# KiCad board oibus-mini-CCC_PANEL.kicad_pcb (continued)
## Routing (per net, layer and track width the routed paths; a pad name or vN(x,y) marks a point on that pad's centre or on a via; arc(x,y) is an arc through that point) (continued)
  Top w0.4: 63.01,27.52 63,27.51 63,23.62 63.01,23.61 ; 63.01,23.61 63.01,23.38 v4(62.64,23.01) ; 63.01,23.61 C3#2.2 62.88,21.97 U1#2.5 ; C15#2.2 63.05,27.2 R10#2.1 64.1,28.27 v4(64.1,28.73) ; U2#2.2 46.3,46.91 46.3,39.61 47.1,38.81 ; H2#2.3 50.79,11.76 50.79,14.22 50.2,14.81 v4(49.5,14.81) ; 47.1,38.81 47.1,38.91 44.8,41.21 U2#2.3 44.8,48.61 43.7,49.71 40.83,49.71 40.03,48.91 39.17,48.91 38.6,49.48 D4#2.2 ; 47.1,38.81 U2#2.17 ; L2#2.1 72.6,46.71 v4(73.2,47.31) 72.7,47.81 D7#2.4 ; 48.25,17.52 v4(48.22,17.49) 48.22,18.09 SW1#2.2 47.2,19.96 48.45,21.21 48.45,23.19 48.27,23.38 47.48,23.38 46.88,23.98 46.88,24.89 v4(48,26.01) ; P1#2.2 52.61,28.73 50.32,28.73 47.8,26.21 v4(48,26.01) ; v4(44.6,26.01) 42.6,26.01 40.6,28.01 v4(40.6,30.61) ; v4(48,26.01) 48,25.74 48.41,25.33 51.22,25.33 51.29,25.41 54,25.41 54.4,25.01 56.69,25.01 57.09,25.41 v4(57.8,25.41) ; 71.2,58.61 71.2,58.02 C5#2.2 U3#2.9 ; 71.2,58.61 71.2,59.01 71.69,59.5 72.46,59.5 72.64,59.47 72.88,59.23 v5(72.91,59.23) ; 71.2,58.61 71.1,58.51 70.7,58.51 70.2,59.01 U3#2.10 ; v4(66.77,46.21) 66.77,40.14 64.7,38.07 64.7,36.73 v4(65.45,35.98) ; v4(131.8,25.41) 131.09,25.41 130.69,25.01 128.4,25.01 128,25.41 125.29,25.41 125.22,25.33 122.41,25.33 122,25.74 v4(122,26.01) ; v4(122,26.01) 120.88,24.89 120.88,23.98 121.48,23.38 122.27,23.38 122.45,23.19 122.45,21.21 121.2,19.96 SW1#4.2 122.22,18.09 v4(122.22,17.49) 122.25,17.52 ; v4(122,26.01) 121.8,26.21 124.32,28.73 126.61,28.73 P1#3.2 ; D4#4.2 112.6,49.48 113.17,48.91 114.03,48.91 114.83,49.71 117.7,49.71 118.8,48.61 U2#4.3 118.8,41.21 121.1,38.91 121.1,38.81 ; 121.1,38.81 120.3,39.61 120.3,46.91 U2#4.2 ; 121.1,38.81 U2#4.17 ; D7#4.4 146.7,47.81 v4(147.2,47.31) 146.6,46.71 L2#3.1 ; 100.01,27.52 100,27.51 100,23.62 100.01,23.61 ; 100.01,23.61 100.01,23.38 v4(99.64,23.01) ; 100.01,23.61 C3#3.2 99.88,21.97 U1#3.5 ; C15#4.2 100.05,27.2 R10#4.1 101.1,28.27 v4(101.1,28.73) ; U2#3.2 83.3,46.91 83.3,39.61 84.1,38.81 ; H2#3.3 87.79,11.76 87.79,14.22 87.2,14.81 v4(86.5,14.81) ; 84.1,38.81 84.1,38.91 81.8,41.21 U2#3.3 81.8,48.61 80.7,49.71 77.83,49.71 77.03,48.91 76.17,48.91 75.6,49.48 D4#3.2 ; 84.1,38.81 U2#3.17 ; L2#4.1 109.6,46.71 v4(110.2,47.31) 109.7,47.81 D7#3.4 ; 85.25,17.52 v4(85.22,17.49) 85.22,18.09 SW1#3.2 84.2,19.96 85.45,21.21 85.45,23.19 85.27,23.38 84.48,23.38 83.88,23.98 83.88,24.89 v4(85,26.01) ; P1#4.2 89.61,28.73 87.32,28.73 84.8,26.21 v4(85,26.01) ; v4(81.6,26.01) 79.6,26.01 77.6,28.01 v4(77.6,30.61) ; v4(85,26.01) 85,25.74 85.41,25.33 88.22,25.33 88.29,25.41 91,25.41 91.4,25.01 93.69,25.01 94.09,25.41 v4(94.8,25.41) ; 108.2,58.61 108.2,58.02 C5#3.2 U3#3.9 ; 108.2,58.61 108.2,59.01 108.69,59.5 109.46,59.5 109.64,59.47 109.88,59.23 v5(109.91,59.23) ; 108.2,58.61 108.1,58.51 107.7,58.51 107.2,59.01 U3#3.10 ; v4(118.6,26.01) 116.6,26.01 114.6,28.01 v4(114.6,30.61) ; v4(103.77,46.21) 103.77,40.14 101.7,38.07 101.7,36.73 v4(102.45,35.98) ; H2#4.3 124.79,11.76 124.79,14.22 124.2,14.81 v4(123.5,14.81) ; 137.01,23.61 137,23.62 137,27.51 137.01,27.52 ; 137.01,23.61 137.01,23.38 v4(136.64,23.01) ; 137.01,23.61 C3#4.2 136.88,21.97 U1#4.5 ; C15#3.2 137.05,27.2 R10#3.1 138.1,28.27 v4(138.1,28.73) ; v4(140.77,46.21) 140.77,40.14 138.7,38.07 138.7,36.73 v4(139.45,35.98) ; U3#4.9 C5#4.2 145.2,58.02 145.2,58.61 ; 145.2,58.61 145.1,58.51 144.7,58.51 144.2,59.01 U3#4.10 ; 145.2,58.61 145.2,59.01 145.69,59.5 146.46,59.5 146.64,59.47 146.88,59.23 v5(146.91,59.23) ; 159.25,17.52 v4(159.22,17.49) 159.22,18.09 SW1#5.2 158.2,19.96 159.45,21.21 159.45,23.19 159.27,23.38 158.48,23.38 157.88,23.98 157.88,24.89 v4(159,26.01) ; D4#6.2 149.6,49.48 150.17,48.91 151.03,48.91 151.83,49.71 154.7,49.71 155.8,48.61 U2#6.3 155.8,41.21 158.1,38.91 158.1,38.81 ; v4(159,26.01) 159,25.74 159.41,25.33 162.22,25.33 162.29,25.41 165,25.41 165.4,25.01 167.69,25.01 168.09,25.41 v4(168.8,25.41) ; v4(159,26.01) 158.8,26.21 161.32,28.73 163.61,28.73 P1#6.2 ; v4(151.6,30.61) 151.6,28.01 153.6,26.01 v4(155.6,26.01) ; v4(173.64,23.01) 174.01,23.38 174.01,23.61 ; 174.01,23.61 C3#6.2 173.88,21.97 U1#5.5 ; 174.01,23.61 174,23.62 174,27.51 174.01,27.52 ; U3#6.9 C5#6.2 182.2,58.02 182.2,58.61 ; v5(183.91,59.23) 183.88,59.23 183.64,59.47 183.46,59.5 182.69,59.5 182.2,59.01 182.2,58.61 ; 182.2,58.61 182.1,58.51 181.7,58.51 181.2,59.01 U3#6.10 ; v4(205.8,25.41) 205.09,25.41 204.69,25.01 202.4,25.01 202,25.41 199.29,25.41 199.22,25.33 196.41,25.33 196,25.74 v4(196,26.01) ; v4(196,26.01) 194.88,24.89 194.88,23.98 195.48,23.38 196.27,23.38 196.45,23.19 196.45,21.21 195.2,19.96 SW1#6.2 196.22,18.09 v4(196.22,17.49) 196.25,17.52 ; v4(196,26.01) 195.8,26.21 198.32,28.73 200.61,28.73 P1#5.2 ; D4#5.2 186.6,49.48 187.17,48.91 188.03,48.91 188.83,49.71 191.7,49.71 192.8,48.61 U2#5.3 192.8,41.21 195.1,38.91 195.1,38.81 ; 195.1,38.81 194.3,39.61 194.3,46.91 U2#5.2 ; 195.1,38.81 U2#5.17 ; L2#5.1 220.6,46.71 v4(221.2,47.31) 220.7,47.81 D7#6.4 ; v4(160.5,14.81) 161.2,14.81 161.79,14.22 161.79,11.76 H2#6.3 ; D7#5.4 183.7,47.81 v4(184.2,47.31) 183.6,46.71 L2#6.1 ; 158.1,38.81 157.3,39.61 157.3,46.91 U2#6.2 ; 158.1,38.81 U2#6.17 ; C15#6.2 174.05,27.2 R10#6.1 175.1,28.27 v4(175.1,28.73) ; H2#5.3 198.79,11.76 198.79,14.22 198.2,14.81 v4(197.5,14.81) ; 211.01,23.61 211,23.62 211,27.51 211.01,27.52 ; 211.01,23.61 211.01,23.38 v4(210.64,23.01) ; 211.01,23.61 C3#5.2 210.88,21.97 U1#6.5 ; C15#5.2 211.05,27.2 R10#5.1 212.1,28.27 v4(212.1,28.73) ; v4(214.77,46.21) 214.77,40.14 212.7,38.07 212.7,36.73 v4(213.45,35.98) ; v4(192.6,26.01) 190.6,26.01 188.6,28.01 v4(188.6,30.61) ; v4(177.77,46.21) 177.77,40.14 175.7,38.07 175.7,36.73 v4(176.45,35.98) ; U3#5.9 C5#5.2 219.2,58.02 219.2,58.61 ; 219.2,58.61 219.1,58.51 218.7,58.51 218.2,59.01 U3#5.10 ; 219.2,58.61 219.2,59.01 219.69,59.5 220.46,59.5 220.64,59.47 220.88,59.23 v5(220.91,59.23) ; v4(279.8,25.41) 279.09,25.41 278.69,25.01 276.4,25.01 276,25.41 273.29,25.41 273.22,25.33 270.41,25.33 270,25.74 v4(270,26.01) ; v4(270,26.01) 268.88,24.89 268.88,23.98 269.48,23.38 270.27,23.38 270.45,23.19 270.45,21.21 269.2,19.96 SW1#7.2 270.22,18.09 v4(270.22,17.49) 270.25,17.52 ; v4(270,26.01) 269.8,26.21 272.32,28.73 274.61,28.73 P1#7.2 ; D4#8.2 260.6,49.48 261.17,48.91 262.03,48.91 262.83,49.71 265.7,49.71 266.8,48.61 U2#8.3 266.8,41.21 269.1,38.91 269.1,38.81 ; 269.1,38.81 268.3,39.61 268.3,46.91 U2#8.2 ; 269.1,38.81 U2#8.17 ; L2#7.1 294.6,46.71 v4(295.2,47.31) 294.7,47.81 D7#7.4 ; v4(234.5,14.81) 235.2,14.81 235.79,14.22 235.79,11.76 H2#7.3 ; D7#8.4 257.7,47.81 v4(258.2,47.31) 257.6,46.71 L2#8.1 ; 232.1,38.81 231.3,39.61 231.3,46.91 U2#7.2 ; 232.1,38.81 232.1,38.91 229.8,41.21 U2#7.3 229.8,48.61 228.7,49.71 225.83,49.71 225.03,48.91 224.17,48.91 223.6,49.48 D4#7.2 ; 232.1,38.81 U2#7.17 ; C15#7.2 248.05,27.2 R10#8.1 249.1,28.27 v4(249.1,28.73) ; 248.01,23.61 248,23.62 248,27.51 248.01,27.52 ; 248.01,23.61 248.01,23.38 v4(247.64,23.01) ; 248.01,23.61 C3#7.2 247.88,21.97 U1#8.5 ; U3#8.9 C5#8.2 256.2,58.02 256.2,58.61 ; v5(257.91,59.23) 257.88,59.23 257.64,59.47 257.46,59.5 256.69,59.5 256.2,59.01 256.2,58.61 ; 256.2,58.61 256.1,58.51 255.7,58.51 255.2,59.01 U3#8.10 ; 233.25,17.52 v4(233.22,17.49) 233.22,18.09 SW1#8.2 232.2,19.96 233.45,21.21 233.45,23.19 233.27,23.38 232.48,23.38 231.88,23.98 231.88,24.89 v4(233,26.01) ; v4(233,26.01) 233,25.74 233.41,25.33 236.22,25.33 236.29,25.41 239,25.41 239.4,25.01 241.69,25.01 242.09,25.41 v4(242.8,25.41) ; v4(233,26.01) 232.8,26.21 235.32,28.73 237.61,28.73 P1#8.2 ; v4(225.6,30.61) 225.6,28.01 227.6,26.01 v4(229.6,26.01) ; v4(266.6,26.01) 264.6,26.01 262.6,28.01 v4(262.6,30.61) ; v4(251.77,46.21) 251.77,40.14 249.7,38.07 249.7,36.73 v4(250.45,35.98) ; v4(288.77,46.21) 288.77,40.14 286.7,38.07 286.7,36.73 v4(287.45,35.98) ; H2#8.3 272.79,11.76 272.79,14.22 272.2,14.81 v4(271.5,14.81) ; 285.01,23.61 285,23.62 285,27.51 285.01,27.52 ; 285.01,23.61 285.01,23.38 v4(284.64,23.01) ; 285.01,23.61 C3#8.2 284.88,21.97 U1#7.5 ; C15#8.2 285.05,27.2 R10#7.1 286.1,28.27 v4(286.1,28.73) ; U3#7.9 C5#7.2 293.2,58.02 293.2,58.61 ; 293.2,58.61 293.1,58.51 292.7,58.51 292.2,59.01 U3#7.10 ; 293.2,58.61 293.2,59.01 293.69,59.5 294.46,59.5 294.64,59.47 294.88,59.23 v5(294.91,59.23) ; v4(57.8,91.41) 57.09,91.41 56.69,91.01 54.4,91.01 54,91.41 51.29,91.41 51.22,91.33 48.41,91.33 48,91.74 v4(48,92.01) ; v4(48,92.01) 46.88,90.89 46.88,89.98 47.48,89.38 48.27,89.38 48.45,89.19 48.45,87.21 47.2,85.96 SW1#13.2 48.22,84.09 v4(48.22,83.49) 48.25,83.52 ; v4(48,92.01) 47.8,92.21 50.32,94.73 52.61,94.73 P1#9.2 ; D4#12.2 38.6,115.48 39.17,114.91 40.03,114.91 40.83,115.71 43.7,115.71 44.8,114.61 U2#12.3 44.8,107.21 47.1,104.91 47.1,104.81 ; 85.25,83.52 v4(85.22,83.49) 85.22,84.09 SW1#11.2 84.2,85.96 85.45,87.21 85.45,89.19 85.27,89.38 84.48,89.38 83.88,89.98 83.88,90.89 v4(85,92.01) ; 47.1,104.81 46.3,105.61 46.3,112.91 U2#12.2 ; 47.1,104.81 U2#12.17 ; D4#13.2 75.6,115.48 76.17,114.91 77.03,114.91 77.83,115.71 80.7,115.71 81.8,114.61 U2#13.3 81.8,107.21 84.1,104.91 84.1,104.81 ; D7#13.4 72.7,113.81 v4(73.2,113.31) 72.6,112.71 L2#9.1 ; 26.01,93.52 26,93.51 26,89.62 26.01,89.61 ; 26.01,89.61 26.01,89.38 v4(25.64,89.01) ; 26.01,89.61 C3#10.2 25.88,87.97 U1#9.5 ; C15#11.2 26.05,93.2 R10#10.1 27.1,94.27 v4(27.1,94.73) ; U2#9.2 9.3,112.91 9.3,105.61 10.1,104.81 ; H2#9.3 13.79,77.76 13.79,80.22 13.2,80.81 v4(12.5,80.81) ; 10.1,104.81 10.1,104.91 7.8,107.21 U2#9.3 7.8,114.61 6.7,115.71 3.83,115.71 3.03,114.91 2.17,114.91 1.6,115.48 D4#9.2 ; 10.1,104.81 U2#9.17 ; L2#10.1 35.6,112.71 v4(36.2,113.31) 35.7,113.81 D7#9.4 ; 11.25,83.52 v4(11.22,83.49) 11.22,84.09 SW1#9.2 10.2,85.96 11.45,87.21 11.45,89.19 11.27,89.38 10.48,89.38 9.88,89.98 9.88,90.89 v4(11,92.01) ; P1#10.2 15.61,94.73 13.32,94.73 10.8,92.21 v4(11,92.01) ; v4(7.6,92.01) 5.6,92.01 3.6,94.01 v4(3.6,96.61) ; v4(11,92.01) 11,91.74 11.41,91.33 14.22,91.33 14.29,91.41 17,91.41 17.4,91.01 19.69,91.01 20.09,91.41 v4(20.8,91.41) ; 34.2,124.61 34.2,124.02 C5#9.2 U3#9.9 ; 34.2,124.61 34.2,125.01 34.69,125.5 35.46,125.5 35.64,125.47 35.88,125.23 v5(35.91,125.23) ; 34.2,124.61 34.1,124.51 33.7,124.51 33.2,125.01 U3#9.10 ; v4(85,92.01) 85,91.74 85.41,91.33 88.22,91.33 88.29,91.41 91,91.41 91.4,91.01 93.69,91.01 94.09,91.41 v4(94.8,91.41) ; v4(85,92.01) 84.8,92.21 87.32,94.73 89.61,94.73 P1#14.2 ; v4(44.6,92.01) 42.6,92.01 40.6,94.01 v4(40.6,96.61) ; v4(77.6,96.61) 77.6,94.01 79.6,92.01 v4(81.6,92.01) ; v4(29.77,112.21) 29.77,106.14 27.7,104.07 27.7,102.73 v4(28.45,101.98) ; v4(99.64,89.01) 100.01,89.38 100.01,89.61 ; 100.01,89.61 C3#12.2 99.88,87.97 U1#11.5 ; 100.01,89.61 100,89.62 100,93.51 100.01,93.52 ; U3#11.9 C5#11.2 108.2,124.02 108.2,124.61 ; v5(109.91,125.23) 109.88,125.23 109.64,125.47 109.46,125.5 108.69,125.5 108.2,125.01 108.2,124.61 ; 108.2,124.61 108.1,124.51 107.7,124.51 107.2,125.01 U3#11.10 ; v4(131.8,91.41) 131.09,91.41 130.69,91.01 128.4,91.01 128,91.41 125.29,91.41 125.22,91.33 122.41,91.33 122,91.74 v4(122,92.01) ; v4(122,92.01) 120.88,90.89 120.88,89.98 121.48,89.38 122.27,89.38 122.45,89.19 122.45,87.21 121.2,85.96 SW1#12.2 122.22,84.09 v4(122.22,83.49) 122.25,83.52 ; v4(122,92.01) 121.8,92.21 124.32,94.73 126.61,94.73 P1#13.2 ; D4#11.2 112.6,115.48 113.17,114.91 114.03,114.91 114.83,115.71 117.7,115.71 118.8,114.61 U2#11.3 118.8,107.21 121.1,104.91 121.1,104.81 ; 121.1,104.81 120.3,105.61 120.3,112.91 U2#11.2 ; 121.1,104.81 U2#11.17 ; L2#13.1 146.6,112.71 v4(147.2,113.31) 146.7,113.81 D7#12.4 ; v4(86.5,80.81) 87.2,80.81 87.79,80.22 87.79,77.76 H2#13.3 ; H2#12.3 50.79,77.76 50.79,80.22 50.2,80.81 v4(49.5,80.81) ; D7#11.4 109.7,113.81 v4(110.2,113.31) 109.6,112.71 L2#14.1 ; 63.01,89.61 63,89.62 63,93.51 63.01,93.52 ; 63.01,89.61 63.01,89.38 v4(62.64,89.01) ; 63.01,89.61 C3#13.2 62.88,87.97 U1#13.5 ; C15#9.2 63.05,93.2 R10#9.1 64.1,94.27 v4(64.1,94.73) ; 84.1,104.81 83.3,105.61 83.3,112.91 U2#13.2 ; 84.1,104.81 U2#13.17 ; C15#13.2 100.05,93.2 R10#14.1 101.1,94.27 v4(101.1,94.73) ; H2#11.3 124.79,77.76 124.79,80.22 124.2,80.81 v4(123.5,80.81) ; 137.01,89.61 137,89.62 137,93.51 137.01,93.52 ; 137.01,89.61 137.01,89.38 v4(136.64,89.01) ; 137.01,89.61 C3#11.2 136.88,87.97 U1#12.5 ; C15#10.2 137.05,93.2 R10#13.1 138.1,94.27 v4(138.1,94.73) ; v4(140.77,112.21) 140.77,106.14 138.7,104.07 138.7,102.73 v4(139.45,101.98) ; v4(118.6,92.01) 116.6,92.01 114.6,94.01 v4(114.6,96.61) ; v4(103.77,112.21) 103.77,106.14 101.7,104.07 101.7,102.73 v4(102.45,101.98) ; v4(66.77,112.21) 66.77,106.14 64.7,104.07 64.7,102.73 v4(65.45,101.98) ; U3#12.9 C5#12.2 71.2,124.02 71.2,124.61 ; 71.2,124.61 71.1,124.51 70.7,124.51 70.2,125.01 U3#12.10 ; 71.2,124.61 71.2,125.01 71.69,125.5 72.46,125.5 72.64,125.47 72.88,125.23 v5(72.91,125.23) ; U3#10.9 C5#10.2 145.2,124.02 145.2,124.61 ; 145.2,124.61 145.1,124.51 144.7,124.51 144.2,125.01 U3#10.10 ; 145.2,124.61 145.2,125.01 145.69,125.5 146.46,125.5 146.64,125.47 146.88,125.23 v5(146.91,125.23) ; v4(205.8,91.41) 205.09,91.41 204.69,91.01 202.4,91.01 202,91.41 199.29,91.41 199.22,91.33 196.41,91.33 196,91.74 v4(196,92.01) ; v4(196,92.01) 194.88,90.89 194.88,89.98 195.48,89.38 196.27,89.38 196.45,89.19 196.45,87.21 195.2,85.96 SW1#10.2 196.22,84.09 v4(196.22,83.49) 196.25,83.52 ; v4(196,92.01) 195.8,92.21 198.32,94.73 200.61,94.73 P1#11.2 ; D4#14.2 186.6,115.48 187.17,114.91 188.03,114.91 188.83,115.71 191.7,115.71 192.8,114.61 U2#14.3 192.8,107.21 195.1,104.91 195.1,104.81 ; 195.1,104.81 194.3,105.61 194.3,112.91 U2#14.2 ; 195.1,104.81 U2#14.17 ; L2#11.1 220.6,112.71 v4(221.2,113.31) 220.7,113.81 D7#10.4 ; v4(160.5,80.81) 161.2,80.81 161.79,80.22 161.79,77.76 H2#10.3 ; D7#14.4 183.7,113.81 v4(184.2,113.31) 183.6,112.71 L2#12.1 ; 158.1,104.81 157.3,105.61 157.3,112.91 U2#10.2 ; 158.1,104.81 158.1,104.91 155.8,107.21 U2#10.3 155.8,114.61 154.7,115.71 151.83,115.71 151.03,114.91 150.17,114.91 149.6,115.48 D4#10.2 ; 158.1,104.81 U2#10.17 ; C15#12.2 174.05,93.2 R10#12.1 175.1,94.27 v4(175.1,94.73) ; 174.01,89.61 174,89.62 174,93.51 174.01,93.52 ; 174.01,89.61 174.01,89.38 v4(173.64,89.01) ; 174.01,89.61 C3#9.2 173.88,87.97 U1#14.5 ; U3#14.9 C5#14.2 182.2,124.02 182.2,124.61 ; v5(183.91,125.23) 183.88,125.23 183.64,125.47 183.46,125.5 182.69,125.5 182.2,125.01 182.2,124.61 ; 182.2,124.61 182.1,124.51 181.7,124.51 181.2,125.01 U3#14.10 ; 159.25,83.52 v4(159.22,83.49) 159.22,84.09 SW1#14.2 158.2,85.96 159.45,87.21 159.45,89.19 159.27,89.38 158.48,89.38 157.88,89.98 157.88,90.89 v4(159,92.01) ; v4(159,92.01) 159,91.74 159.41,91.33 162.22,91.33 162.29,91.41 165,91.41 165.4,91.01 167.69,91.01 168.09,91.41 v4(168.8,91.41) ; v4(159,92.01) 158.8,92.21 161.32,94.73 163.61,94.73 P1#12.2 ; v4(151.6,96.61) 151.6,94.01 153.6,92.01 v4(155.6,92.01) ; v4(192.6,92.01) 190.6,92.01 188.6,94.01 v4(188.6,96.61) ; v4(177.77,112.21) 177.77,106.14 175.7,104.07 175.7,102.73 v4(176.45,101.98) ; v4(214.77,112.21) 214.77,106.14 212.7,104.07 212.7,102.73 v4(213.45,101.98) ; H2#14.3 198.79,77.76 198.79,80.22 198.2,80.81 v4(197.5,80.81) ; 211.01,89.61 211,89.62 211,93.51 211.01,93.52 ; 211.01,89.61 211.01,89.38 v4(210.64,89.01) ; 211.01,89.61 C3#14.2 210.88,87.97 U1#10.5 ; C15#14.2 211.05,93.2 R10#11.1 212.1,94.27 v4(212.1,94.73) ; U3#13.9 C5#13.2 219.2,124.02 219.2,124.61 ; C15#15.2 248.05,93.2 R10#16.1 249.1,94.27 v4(249.1,94.73) ; L2#16.1 257.6,112.71 v4(258.2,113.31) 257.7,113.81 D7#16.4 ; 248.01,89.61 248,89.62 248,93.51 248.01,93.52 ; 248.01,89.61 248.01,89.38 v4(247.64,89.01) ; 248.01,89.61 C3#15.2 247.88,87.97 U1#16.5 ; 232.1,104.81 232.1,104.91 229.8,107.21 U2#15.3 229.8,114.61 228.7,115.71 225.83,115.71 225.03,114.91 224.17,114.91 223.6,115.48 D4#15.2 ; 232.1,104.81 U2#15.17 ; 232.1,104.81 231.3,105.61 231.3,112.91 U2#15.2 ; v4(279.8,91.41) 279.09,91.41 278.69,91.01 276.4,91.01 276,91.41 273.29,91.41 273.22,91.33 270.41,91.33 270,91.74 v4(270,92.01) ; v4(270,92.01) 268.88,90.89 268.88,89.98 269.48,89.38 270.27,89.38 270.45,89.19 270.45,87.21 269.2,85.96 SW1#15.2 270.22,84.09 v4(270.22,83.49) 270.25,83.52 ; v4(270,92.01) 269.8,92.21 272.32,94.73 274.61,94.73 P1#15.2 ; D4#16.2 260.6,115.48 261.17,114.91 262.03,114.91 262.83,115.71 265.7,115.71 266.8,114.61 U2#16.3 266.8,107.21 269.1,104.91 269.1,104.81 ; 269.1,104.81 268.3,105.61 268.3,112.91 U2#16.2 ; 269.1,104.81 U2#16.17 ; L2#15.1 294.6,112.71 v4(295.2,113.31) 294.7,113.81 D7#15.4 ; v4(234.5,80.81) 235.2,80.81 235.79,80.22 235.79,77.76 H2#15.3 ; 219.2,124.61 219.1,124.51 218.7,124.51 218.2,125.01 U3#13.10 ; 219.2,124.61 219.2,125.01 219.69,125.5 220.46,125.5 220.64,125.47 220.88,125.23 v5(220.91,125.23) ; v4(288.77,112.21) 288.77,106.14 286.7,104.07 286.7,102.73 v4(287.45,101.98) ; v4(266.6,92.01) 264.6,92.01 262.6,94.01 v4(262.6,96.61) ; v4(251.77,112.21) 251.77,106.14 249.7,104.07 249.7,102.73 v4(250.45,101.98) ; v5(257.91,125.23) 257.88,125.23 257.64,125.47 257.46,125.5 256.69,125.5 256.2,125.01 256.2,124.61 ; 256.2,124.61 256.1,124.51 255.7,124.51 255.2,125.01 U3#16.10 ; 256.2,124.61 256.2,124.02 C5#16.2 U3#16.9 ; 233.25,83.52 v4(233.22,83.49) 233.22,84.09 SW1#16.2 232.2,85.96 233.45,87.21 233.45,89.19 233.27,89.38 232.48,89.38 231.88,89.98 231.88,90.89 v4(233,92.01) ; v4(233,92.01) 233,91.74 233.41,91.33 236.22,91.33 236.29,91.41 239,91.41 239.4,91.01 241.69,91.01 242.09,91.41 v4(242.8,91.41) ; v4(233,92.01) 232.8,92.21 235.32,94.73 237.61,94.73 P1#16.2 ; v4(225.6,96.61) 225.6,94.01 227.6,92.01 v4(229.6,92.01) ; U3#15.9 C5#15.2 293.2,124.02 293.2,124.61 ; H2#16.3 272.79,77.76 272.79,80.22 272.2,80.81 v4(271.5,80.81) ; 285.01,89.61 285,89.62 285,93.51 285.01,93.52 ; 285.01,89.61 285.01,89.38 v4(284.64,89.01) ; 285.01,89.61 C3#16.2 284.88,87.97 U1#15.5 ; C15#16.2 285.05,93.2 R10#15.1 286.1,94.27 v4(286.1,94.73) ; 293.2,124.61 293.1,124.51 292.7,124.51 292.2,125.01 U3#15.10 ; 293.2,124.61 293.2,125.01 293.69,125.5 294.46,125.5 294.64,125.47 294.88,125.23 v5(294.91,125.23) ; v4(85,224.01) 85,223.74 85.41,223.33 88.22,223.33 88.29,223.41 91,223.41 91.4,223.01 93.69,223.01 94.09,223.41 v4(94.8,223.41) ; v4(85,224.01) 83.88,222.89 83.88,221.98 84.48,221.38 85.27,221.38 85.45,221.19 85.45,219.21 84.2,217.96 SW1#27.2 85.22,216.09 v4(85.22,215.49) 85.25,215.52 ; v4(85,224.01) 84.8,224.21 87.32,226.73 89.61,226.73 P1#30.2 ; v4(44.6,224.01) 42.6,224.01 40.6,226.01 v4(40.6,228.61) ; P1#23.2 52.61,226.73 50.32,226.73 47.8,224.21 v4(48,224.01) ; v4(77.6,228.61) 77.6,226.01 79.6,224.01 v4(81.6,224.01) ; U1#24.5 25.88,219.97 C3#25.2 26.01,221.61 ; 34.2,256.61 34.2,256.02 C5#23.2 U3#23.9 ; 34.2,256.61 34.2,257.01 34.69,257.5 35.46,257.5 35.64,257.47 35.88,257.23 v5(35.91,257.23) ; 34.2,256.61 34.1,256.51 33.7,256.51 33.2,257.01 U3#23.10 ; 10.1,236.81 U2#23.17 ; 10.1,236.81 10.1,236.91 7.8,239.21 U2#23.3 7.8,246.61 6.7,247.71 3.83,247.71 3.03,246.91 2.17,246.91 1.6,247.48 D4#23.2 ; 10.1,236.81 9.3,237.61 9.3,244.91 U2#23.2 ; 26.01,221.61 26.01,221.38 v4(25.64,221.01) ; 26.01,221.61 26,221.62 26,225.51 26.01,225.52 ; P1#24.2 15.61,226.73 13.32,226.73 10.8,224.21 v4(11,224.01) ; v4(7.6,224.01) 5.6,224.01 3.6,226.01 v4(3.6,228.61) ; v4(11,224.01) 11,223.74 11.41,223.33 14.22,223.33 14.29,223.41 17,223.41 17.4,223.01 19.69,223.01 20.09,223.41 v4(20.8,223.41) ; v4(11,224.01) 9.88,222.89 9.88,221.98 10.48,221.38 11.27,221.38 11.45,221.19 11.45,219.21 10.2,217.96 SW1#23.2 11.22,216.09 v4(11.22,215.49) 11.25,215.52 ; 48.25,215.52 v4(48.22,215.49) 48.22,216.09 SW1#29.2 47.2,217.96 48.45,219.21 48.45,221.19 48.27,221.38 47.48,221.38 46.88,221.98 46.88,222.89 v4(48,224.01) ; D4#29.2 75.6,247.48 76.17,246.91 77.03,246.91 77.83,247.71 80.7,247.71 81.8,246.61 U2#29.3 81.8,239.21 84.1,236.91 84.1,236.81 ; D7#29.4 72.7,245.81 v4(73.2,245.31) 72.6,244.71 L2#23.1 ; 47.1,236.81 46.3,237.61 46.3,244.91 U2#28.2 ; 47.1,236.81 47.1,236.91 44.8,239.21 U2#28.3 44.8,246.61 43.7,247.71 40.83,247.71 40.03,246.91 39.17,246.91 38.6,247.48 D4#28.2 ; 47.1,236.81 U2#28.17 ; C15#25.2 26.05,225.2 R10#24.1 27.1,226.27 v4(27.1,226.73) ; H2#23.3 13.79,209.76 13.79,212.22 13.2,212.81 v4(12.5,212.81) ; L2#24.1 35.6,244.71 v4(36.2,245.31) 35.7,245.81 D7#23.4 ; v4(48,224.01) 48,223.74 48.41,223.33 51.22,223.33 51.29,223.41 54,223.41 54.4,223.01 56.69,223.01 57.09,223.41 v4(57.8,223.41) ; v4(29.77,244.21) 29.77,238.14 27.7,236.07 27.7,234.73 v4(28.45,233.98) ; 100.01,221.61 100,221.62 100,225.51 100.01,225.52 ; 100.01,221.61 100.01,221.38 v4(99.64,221.01) ; 100.01,221.61 C3#28.2 99.88,219.97 U1#27.5 ; 84.1,236.81 U2#29.17 ; 84.1,236.81 83.3,237.61 83.3,244.91 U2#29.2 ; 108.2,256.61 108.2,256.02 C5#27.2 U3#27.9 ; 108.2,256.61 108.2,257.01 108.69,257.5 109.46,257.5 109.64,257.47 109.88,257.23 v5(109.91,257.23) ; 108.2,256.61 108.1,256.51 107.7,256.51 107.2,257.01 U3#27.10 ; 121.1,236.81 121.1,236.91 118.8,239.21 U2#27.3 118.8,246.61 117.7,247.71 114.83,247.71 114.03,246.91 113.17,246.91 112.6,247.48 D4#27.2 ; 121.1,236.81 120.3,237.61 120.3,244.91 U2#27.2 ; 121.1,236.81 U2#27.17 ; L2#29.1 146.6,244.71 v4(147.2,245.31) 146.7,245.81 D7#28.4 ; 122.25,215.52 v4(122.22,215.49) 122.22,216.09 SW1#28.2 121.2,217.96 122.45,219.21 122.45,221.19 122.27,221.38 121.48,221.38 120.88,221.98 120.88,222.89 v4(122,224.01) ; v4(86.5,212.81) 87.2,212.81 87.79,212.22 87.79,209.76 H2#29.3 ; H2#28.3 50.79,209.76 50.79,212.22 50.2,212.81 v4(49.5,212.81) ; D7#27.4 109.7,245.81 v4(110.2,245.31) 109.6,244.71 L2#30.1 ; 63.01,221.61 63,221.62 63,225.51 63.01,225.52 ; 63.01,221.61 63.01,221.38 v4(62.64,221.01) ; 63.01,221.61 C3#29.2 62.88,219.97 U1#29.5 ; C15#21.2 63.05,225.2 R10#23.1 64.1,226.27 v4(64.1,226.73) ; C15#29.2 100.05,225.2 R10#30.1 101.1,226.27 v4(101.1,226.73) ; v4(131.8,223.41) 131.09,223.41 130.69,223.01 128.4,223.01 128,223.41 125.29,223.41 125.22,223.33 122.41,223.33 122,223.74 v4(122,224.01) ; v4(122,224.01) 121.8,224.21 124.32,226.73 126.61,226.73 P1#29.2 ; v4(66.77,244.21) 66.77,238.14 64.7,236.07 64.7,234.73 v4(65.45,233.98) ; v4(118.6,224.01) 116.6,224.01 114.6,226.01 v4(114.6,228.61) ; v4(103.77,244.21) 103.77,238.14 101.7,236.07 101.7,234.73 v4(102.45,233.98) ; v4(140.77,244.21) 140.77,238.14 138.7,236.07 138.7,234.73 v4(139.45,233.98) ; H2#27.3 124.79,209.76 124.79,212.22 124.2,212.81 v4(123.5,212.81) ; 137.01,221.61 137,221.62 137,225.51 137.01,225.52 ; 137.01,221.61 137.01,221.38 v4(136.64,221.01) ; 137.01,221.61 C3#27.2 136.88,219.97 U1#28.5 ; C15#24.2 137.05,225.2 R10#29.1 138.1,226.27 v4(138.1,226.73) ; U3#28.9 C5#28.2 71.2,256.02 71.2,256.61 ; 71.2,256.61 71.1,256.51 70.7,256.51 70.2,257.01 U3#28.10 ; 71.2,256.61 71.2,257.01 71.69,257.5 72.46,257.5 72.64,257.47 72.88,257.23 v5(72.91,257.23) ; v4(159,224.01) 158.8,224.21 161.32,226.73 163.61,226.73 P1#28.2 ; v4(159,224.01) 159,223.74 159.41,223.33 162.22,223.33 162.29,223.41 165,223.41 165.4,223.01 167.69,223.01 168.09,223.41 v4(168.8,223.41) ; v4(159,224.01) 157.88,222.89 157.88,221.98 158.48,221.38 159.27,221.38 159.45,221.19 159.45,219.21 158.2,217.96 SW1#30.2 159.22,216.09 v4(159.22,215.49) 159.25,215.52 ; v4(151.6,228.61) 151.6,226.01 153.6,224.01 v4(155.6,224.01) ; v4(173.64,221.01) 174.01,221.38 174.01,221.61 ; 174.01,221.61 C3#24.2 173.88,219.97 U1#30.5 ; 174.01,221.61 174,221.62 174,225.51 174.01,225.52 ; U3#30.9 C5#30.2 182.2,256.02 182.2,256.61 ; v5(183.91,257.23) 183.88,257.23 183.64,257.47 183.46,257.5 182.69,257.5 182.2,257.01 182.2,256.61 ; 182.2,256.61 182.1,256.51 181.7,256.51 181.2,257.01 U3#30.10 ; D4#26.2 149.6,247.48 150.17,246.91 151.03,246.91 151.83,247.71 154.7,247.71 155.8,246.61 U2#26.3 155.8,239.21 158.1,236.91 158.1,236.81 ; 195.1,236.81 194.3,237.61 194.3,244.91 U2#30.2 ; 195.1,236.81 195.1,236.91 192.8,239.21 U2#30.3 192.8,246.61 191.7,247.71 188.83,247.71 188.03,246.91 187.17,246.91 186.6,247.48 D4#30.2 ; 195.1,236.81 U2#30.17 ; L2#27.1 220.6,244.71 v4(221.2,245.31) 220.7,245.81 D7#26.4 ; 196.25,215.52 v4(196.22,215.49) 196.22,216.09 SW1#26.2 195.2,217.96 196.45,219.21 196.45,221.19 196.27,221.38 195.48,221.38 194.88,221.98 194.88,222.89 v4(196,224.01) ; v4(160.5,212.81) 161.2,212.81 161.79,212.22 161.79,209.76 H2#26.3 ; D7#30.4 183.7,245.81 v4(184.2,245.31) 183.6,244.71 L2#28.1 ; 158.1,236.81 157.3,237.61 157.3,244.91 U2#26.2 ; 158.1,236.81 U2#26.17 ; C15#28.2 174.05,225.2 R10#28.1 175.1,226.27 v4(175.1,226.73) ; v4(205.8,223.41) 205.09,223.41 204.69,223.01 202.4,223.01 202,223.41 199.29,223.41 199.22,223.33 196.41,223.33 196,223.74 v4(196,224.01) ; v4(196,224.01) 195.8,224.21 198.32,226.73 200.61,226.73 P1#27.2 ; U3#26.9 C5#26.2 145.2,256.02 145.2,256.61 ; 145.2,256.61 145.1,256.51 144.7,256.51 144.2,257.01 U3#26.10 ; 145.2,256.61 145.2,257.01 145.69,257.5 146.46,257.5 146.64,257.47 146.88,257.23 v5(146.91,257.23) ; C15#30.2 211.05,225.2 R10#27.1 212.1,226.27 v4(212.1,226.73) ; v4(197.5,212.81) 198.2,212.81 198.79,212.22 198.79,209.76 H2#30.3 ; 211.01,225.52 211,225.51 211,221.62 211.01,221.61 ; 211.01,221.61 211.01,221.38 v4(210.64,221.01) ; 211.01,221.61 C3#30.2 210.88,219.97 U1#26.5 ; v4(214.77,244.21) 214.77,238.14 212.7,236.07 212.7,234.73 v4(213.45,233.98) ; v4(192.6,224.01) 190.6,224.01 188.6,226.01 v4(188.6,228.61) ; v4(177.77,244.21) 177.77,238.14 175.7,236.07 175.7,234.73 v4(176.45,233.98) ; v4(57.8,157.41) 57.09,157.41 56.69,157.01 54.4,157.01 54,157.41 51.29,157.41 51.22,157.33 48.41,157.33 48,157.74 v4(48,158.01) ; v4(48,158.01) 46.88,156.89 46.88,155.98 47.48,155.38 48.27,155.38 48.45,155.19 48.45,153.21 47.2,151.96 SW1#21.2 48.22,150.09 v4(48.22,149.49) 48.25,149.52 ; v4(48,158.01) 47.8,158.21 50.32,160.73 52.61,160.73 P1#17.2 ; D4#20.2 38.6,181.48 39.17,180.91 40.03,180.91 40.83,181.71 43.7,181.71 44.8,180.61 U2#20.3 44.8,173.21 47.1,170.91 47.1,170.81 ; 85.25,149.52 v4(85.22,149.49) 85.22,150.09 SW1#19.2 84.2,151.96 85.45,153.21 85.45,155.19 85.27,155.38 84.48,155.38 83.88,155.98 83.88,156.89 v4(85,158.01) ; 47.1,170.81 46.3,171.61 46.3,178.91 U2#20.2 ; 47.1,170.81 U2#20.17 ; D4#21.2 75.6,181.48 76.17,180.91 77.03,180.91 77.83,181.71 80.7,181.71 81.8,180.61 U2#21.3 81.8,173.21 84.1,170.91 84.1,170.81 ; D7#21.4 72.7,179.81 v4(73.2,179.31) 72.6,178.71 L2#17.1 ; 26.01,159.52 26,159.51 26,155.62 26.01,155.61 ; 26.01,155.61 26.01,155.38 v4(25.64,155.01) ; 26.01,155.61 C3#18.2 25.88,153.97 U1#17.5 ; C15#19.2 26.05,159.2 R10#18.1 27.1,160.27 v4(27.1,160.73) ; U2#17.2 9.3,178.91 9.3,171.61 10.1,170.81 ; H2#17.3 13.79,143.76 13.79,146.22 13.2,146.81 v4(12.5,146.81) ; 10.1,170.81 10.1,170.91 7.8,173.21 U2#17.3 7.8,180.61 6.7,181.71 3.83,181.71 3.03,180.91 2.17,180.91 1.6,181.48 D4#17.2 ; 10.1,170.81 U2#17.17 ; L2#18.1 35.6,178.71 v4(36.2,179.31) 35.7,179.81 D7#17.4 ; 11.25,149.52 v4(11.22,149.49) 11.22,150.09 SW1#17.2 10.2,151.96 11.45,153.21 11.45,155.19 11.27,155.38 10.48,155.38 9.88,155.98 9.88,156.89 v4(11,158.01) ; P1#18.2 15.61,160.73 13.32,160.73 10.8,158.21 v4(11,158.01) ; v4(7.6,158.01) 5.6,158.01 3.6,160.01 v4(3.6,162.61) ; v4(11,158.01) 11,157.74 11.41,157.33 14.22,157.33 14.29,157.41 17,157.41 17.4,157.01 19.69,157.01 20.09,157.41 v4(20.8,157.41) ; 34.2,190.61 34.2,190.02 C5#17.2 U3#17.9 ; 34.2,190.61 34.2,191.01 34.69,191.5 35.46,191.5 35.64,191.47 35.88,191.23 v5(35.91,191.23) ; 34.2,190.61 34.1,190.51 33.7,190.51 33.2,191.01 U3#17.10 ; v4(85,158.01) 85,157.74 85.41,157.33 88.22,157.33 88.29,157.41 91,157.41 91.4,157.01 93.69,157.01 94.09,157.41 v4(94.8,157.41) ; v4(85,158.01) 84.8,158.21 87.32,160.73 89.61,160.73 P1#22.2 ; v4(44.6,158.01) 42.6,158.01 40.6,160.01 v4(40.6,162.61) ; v4(77.6,162.61) 77.6,160.01 79.6,158.01 v4(81.6,158.01) ; v4(29.77,178.21) 29.77,172.14 27.7,170.07 27.7,168.73 v4(28.45,167.98) ; v4(99.64,155.01) 100.01,155.38 100.01,155.61 ; 100.01,155.61 C3#20.2 99.88,153.97 U1#19.5 ; 100.01,155.61 100,155.62 100,159.51 100.01,159.52 ; U3#19.9 C5#19.2 108.2,190.02 108.2,190.61 ; v5(109.91,191.23) 109.88,191.23 109.64,191.47 109.46,191.5 108.69,191.5 108.2,191.01 108.2,190.61 ; 108.2,190.61 108.1,190.51 107.7,190.51 107.2,191.01 U3#19.10 ; v4(131.8,157.41) 131.09,157.41 130.69,157.01 128.4,157.01 128,157.41 125.29,157.41 125.22,157.33 122.41,157.33 122,157.74 v4(122,158.01) ; v4(122,158.01) 120.88,156.89 120.88,155.98 121.48,155.38 122.27,155.38 122.45,155.19 122.45,153.21 121.2,151.96 SW1#20.2 122.22,150.09 v4(122.22,149.49) 122.25,149.52 ; v4(122,158.01) 121.8,158.21 124.32,160.73 126.61,160.73 P1#21.2 ; D4#19.2 112.6,181.48 113.17,180.91 114.03,180.91 114.83,181.71 117.7,181.71 118.8,180.61 U2#19.3 118.8,173.21 121.1,170.91 121.1,170.81 ; 121.1,170.81 120.3,171.61 120.3,178.91 U2#19.2 ; 121.1,170.81 U2#19.17 ; L2#21.1 146.6,178.71 v4(147.2,179.31) 146.7,179.81 D7#20.4 ; v4(86.5,146.81) 87.2,146.81 87.79,146.22 87.79,143.76 H2#21.3 ; H2#20.3 50.79,143.76 50.79,146.22 50.2,146.81 v4(49.5,146.81) ; D7#19.4 109.7,179.81 v4(110.2,179.31) 109.6,178.71 L2#22.1 ; 63.01,155.61 63,155.62 63,159.51 63.01,159.52 ; 63.01,155.61 63.01,155.38 v4(62.64,155.01) ; 63.01,155.61 C3#21.2 62.88,153.97 U1#21.5 ; C15#17.2 63.05,159.2 R10#17.1 64.1,160.27 v4(64.1,160.73) ; 84.1,170.81 83.3,171.61 83.3,178.91 U2#21.2 ; 84.1,170.81 U2#21.17 ; C15#22.2 100.05,159.2 R10#22.1 101.1,160.27 v4(101.1,160.73) ; H2#19.3 124.79,143.76 124.79,146.22 124.2,146.81 v4(123.5,146.81) ; 137.01,155.61 137,155.62 137,159.51 137.01,159.52 ; 137.01,155.61 137.01,155.38 v4(136.64,155.01) ; 137.01,155.61 C3#19.2 136.88,153.97 U1#20.5 ; C15#18.2 137.05,159.2 R10#21.1 138.1,160.27 v4(138.1,160.73) ; v4(140.77,178.21) 140.77,172.14 138.7,170.07 138.7,168.73 v4(139.45,167.98) ; v4(118.6,158.01) 116.6,158.01 114.6,160.01 v4(114.6,162.61) ; v4(103.77,178.21) 103.77,172.14 101.7,170.07 101.7,168.73 v4(102.45,167.98) ; v4(66.77,178.21) 66.77,172.14 64.7,170.07 64.7,168.73 v4(65.45,167.98) ; U3#20.9 C5#20.2 71.2,190.02 71.2,190.61 ; 71.2,190.61 71.1,190.51 70.7,190.51 70.2,191.01 U3#20.10 ; 71.2,190.61 71.2,191.01 71.69,191.5 72.46,191.5 72.64,191.47 72.88,191.23 v5(72.91,191.23) ; U3#18.9 C5#18.2 145.2,190.02 145.2,190.61 ; 145.2,190.61 145.1,190.51 144.7,190.51 144.2,191.01 U3#18.10 ; 145.2,190.61 145.2,191.01 145.69,191.5 146.46,191.5 146.64,191.47 146.88,191.23 v5(146.91,191.23) ; v4(205.8,157.41) 205.09,157.41 204.69,157.01 202.4,157.01 202,157.41 199.29,157.41 199.22,157.33 196.41,157.33 196,157.74 v4(196,158.01) ; v4(196,158.01) 194.88,156.89 194.88,155.98 195.48,155.38 196.27,155.38 196.45,155.19 196.45,153.21 195.2,151.96 SW1#18.2 196.22,150.09 v4(196.22,149.49) 196.25,149.52 ; v4(196,158.01) 195.8,158.21 198.32,160.73 200.61,160.73 P1#19.2 ; D4#22.2 186.6,181.48 187.17,180.91 188.03,180.91 188.83,181.71 191.7,181.71 192.8,180.61 U2#22.3 192.8,173.21 195.1,170.91 195.1,170.81 ; 195.1,170.81 194.3,171.61 194.3,178.91 U2#22.2 ; 195.1,170.81 U2#22.17 ; L2#19.1 220.6,178.71 v4(221.2,179.31) 220.7,179.81 D7#18.4 ; v4(160.5,146.81) 161.2,146.81 161.79,146.22 161.79,143.76 H2#18.3 ; D7#22.4 183.7,179.81 v4(184.2,179.31) 183.6,178.71 L2#20.1 ; 158.1,170.81 157.3,171.61 157.3,178.91 U2#18.2 ; 158.1,170.81 158.1,170.91 155.8,173.21 U2#18.3 155.8,180.61 154.7,181.71 151.83,181.71 151.03,180.91 150.17,180.91 149.6,181.48 D4#18.2 ; 158.1,170.81 U2#18.17 ; C15#20.2 174.05,159.2 R10#20.1 175.1,160.27 v4(175.1,160.73) ; 174.01,155.61 174,155.62 174,159.51 174.01,159.52 ; 174.01,155.61 174.01,155.38 v4(173.64,155.01) ; 174.01,155.61 C3#17.2 173.88,153.97 U1#22.5 ; U3#22.9 C5#22.2 182.2,190.02 182.2,190.61 ; v5(183.91,191.23) 183.88,191.23 183.64,191.47 183.46,191.5 182.69,191.5 182.2,191.01 182.2,190.61 ; 182.2,190.61 182.1,190.51 181.7,190.51 181.2,191.01 U3#22.10 ; 159.25,149.52 v4(159.22,149.49) 159.22,150.09 SW1#22.2 158.2,151.96 159.45,153.21 159.45,155.19 159.27,155.38 158.48,155.38 157.88,155.98 157.88,156.89 v4(159,158.01) ; v4(159,158.01) 159,157.74 159.41,157.33 162.22,157.33 162.29,157.41 165,157.41 165.4,157.01 167.69,157.01 168.09,157.41 v4(168.8,157.41) ; v4(159,158.01) 158.8,158.21 161.32,160.73 163.61,160.73 P1#20.2 ; v4(151.6,162.61) 151.6,160.01 153.6,158.01 v4(155.6,158.01) ; v4(192.6,158.01) 190.6,158.01 188.6,160.01 v4(188.6,162.61) ; v4(177.77,178.21) 177.77,172.14 175.7,170.07 175.7,168.73 v4(176.45,167.98) ; v4(214.77,178.21) 214.77,172.14 212.7,170.07 212.7,168.73 v4(213.45,167.98) ; H2#22.3 198.79,143.76 198.79,146.22 198.2,146.81 v4(197.5,146.81) ; 211.01,155.61 211,155.62 211,159.51 211.01,159.52 ; 211.01,155.61 211.01,155.38 v4(210.64,155.01) ; 211.01,155.61 C3#22.2 210.88,153.97 U1#18.5 ; C15#23.2 211.05,159.2 R10#19.1 212.1,160.27 v4(212.1,160.73) ; U3#21.9 C5#21.2 219.2,190.02 219.2,190.61 ; C15#26.2 248.05,159.2 R10#26.1 249.1,160.27 v4(249.1,160.73) ; L2#26.1 257.6,178.71 v4(258.2,179.31) 257.7,179.81 D7#25.4 ; 248.01,155.61 248,155.62 248,159.51 248.01,159.52 ; 248.01,155.61 248.01,155.38 v4(247.64,155.01) ; 248.01,155.61 C3#23.2 247.88,153.97 U1#25.5 ; 232.1,170.81 232.1,170.91 229.8,173.21 U2#24.3 229.8,180.61 228.7,181.71 225.83,181.71 225.03,180.91 224.17,180.91 223.6,181.48 D4#24.2 ; 232.1,170.81 U2#24.17 ; 232.1,170.81 231.3,171.61 231.3,178.91 U2#24.2 ; v4(279.8,157.41) 279.09,157.41 278.69,157.01 276.4,157.01 276,157.41 273.29,157.41 273.22,157.33 270.41,157.33 270,157.74 v4(270,158.01) ; v4(270,158.01) 268.88,156.89 268.88,155.98 269.48,155.38 270.27,155.38 270.45,155.19 270.45,153.21 269.2,151.96 SW1#24.2 270.22,150.09 v4(270.22,149.49) 270.25,149.52 ; v4(270,158.01) 269.8,158.21 272.32,160.73 274.61,160.73 P1#25.2 ; D4#25.2 260.6,181.48 261.17,180.91 262.03,180.91 262.83,181.71 265.7,181.71 266.8,180.61 U2#25.3 266.8,173.21 269.1,170.91 269.1,170.81 ; 269.1,170.81 268.3,171.61 268.3,178.91 U2#25.2 ; 269.1,170.81 U2#25.17 ; L2#25.1 294.6,178.71 v4(295.2,179.31) 294.7,179.81 D7#24.4 ; v4(234.5,146.81) 235.2,146.81 235.79,146.22 235.79,143.76 H2#24.3 ; 219.2,190.61 219.1,190.51 218.7,190.51 218.2,191.01 U3#21.10 ; 219.2,190.61 219.2,191.01 219.69,191.5 220.46,191.5 220.64,191.47 220.88,191.23 v5(220.91,191.23) ; v4(288.77,178.21) 288.77,172.14 286.7,170.07 286.7,168.73 v4(287.45,167.98) ; v4(266.6,158.01) 264.6,158.01 262.6,160.01 v4(262.6,162.61) ; v4(251.77,178.21) 251.77,172.14 249.7,170.07 249.7,168.73 v4(250.45,167.98) ; v5(257.91,191.23) 257.88,191.23 257.64,191.47 257.46,191.5 256.69,191.5 256.2,191.01 256.2,190.61 ; 256.2,190.61 256.1,190.51 255.7,190.51 255.2,191.01 U3#25.10 ; 256.2,190.61 256.2,190.02 C5#25.2 U3#25.9 ; 233.25,149.52 v4(233.22,149.49) 233.22,150.09 SW1#25.2 232.2,151.96 233.45,153.21 233.45,155.19 233.27,155.38 232.48,155.38 231.88,155.98 231.88,156.89 v4(233,158.01) ; v4(233,158.01) 233,157.74 233.41,157.33 236.22,157.33 236.29,157.41 239,157.41 239.4,157.01 241.69,157.01 242.09,157.41 v4(242.8,157.41) ; v4(233,158.01) 232.8,158.21 235.32,160.73 237.61,160.73 P1#26.2 ; v4(225.6,162.61) 225.6,160.01 227.6,158.01 v4(229.6,158.01) ; U3#24.9 C5#24.2 293.2,190.02 293.2,190.61 ; H2#25.3 272.79,143.76 272.79,146.22 272.2,146.81 v4(271.5,146.81) ; 285.01,155.61 285,155.62 285,159.51 285.01,159.52 ; 285.01,155.61 285.01,155.38 v4(284.64,155.01) ; 285.01,155.61 C3#26.2 284.88,153.97 U1#23.5 ; C15#27.2 285.05,159.2 R10#25.1 286.1,160.27 v4(286.1,160.73) ; 293.2,190.61 293.1,190.51 292.7,190.51 292.2,191.01 U3#24.10 ; 293.2,190.61 293.2,191.01 293.69,191.5 294.46,191.5 294.64,191.47 294.88,191.23 v5(294.91,191.23) ; U3#29.9 C5#29.2 219.2,256.02 219.2,256.61 ; 219.2,256.61 219.1,256.51 218.7,256.51 218.2,257.01 U3#29.10 ; 219.2,256.61 219.2,257.01 219.69,257.5 220.46,257.5 220.64,257.47 220.88,257.23 v5(220.91,257.23) ; 232.1,236.81 231.3,237.61 231.3,244.91 U2#31.2 ; 232.1,236.81 232.1,236.91 229.8,239.21 U2#31.3 229.8,246.61 228.7,247.71 225.83,247.71 225.03,246.91 224.17,246.91 223.6,247.48 D4#31.2 ; 232.1,236.81 U2#31.17 ; v4(279.8,223.41) 279.09,223.41 278.69,223.01 276.4,223.01 276,223.41 273.29,223.41 273.22,223.33 270.41,223.33 270,223.74 v4(270,224.01) ; v4(270,224.01) 268.88,222.89 268.88,221.98 269.48,221.38 270.27,221.38 270.45,221.19 270.45,219.21 269.2,217.96 SW1#31.2 270.22,216.09 v4(270.22,215.49) 270.25,215.52 ; v4(270,224.01) 269.8,224.21 272.32,226.73 274.61,226.73 P1#31.2 ; D4#32.2 260.6,247.48 261.17,246.91 262.03,246.91 262.83,247.71 265.7,247.71 266.8,246.61 U2#32.3 266.8,239.21 269.1,236.91 269.1,236.81 ; 269.1,236.81 268.3,237.61 268.3,244.91 U2#32.2 ; 269.1,236.81 U2#32.17 ; L2#31.1 294.6,244.71 v4(295.2,245.31) 294.7,245.81 D7#31.4 ; v4(234.5,212.81) 235.2,212.81 235.79,212.22 235.79,209.76 H2#31.3 ; D7#32.4 257.7,245.81 v4(258.2,245.31) 257.6,244.71 L2#32.1 ; C15#31.2 248.05,225.2 R10#32.1 249.1,226.27 v4(249.1,226.73) ; 248.01,221.61 248,221.62 248,225.51 248.01,225.52 ; 248.01,221.61 248.01,221.38 v4(247.64,221.01) ; 248.01,221.61 C3#31.2 247.88,219.97 U1#32.5 ; U3#32.9 C5#32.2 256.2,256.02 256.2,256.61 ; v4(225.6,228.61) 225.6,226.01 227.6,224.01 v4(229.6,224.01) ; P1#32.2 237.61,226.73 235.32,226.73 232.8,224.21 v4(233,224.01) ; v4(242.8,223.41) 242.09,223.41 241.69,223.01 239.4,223.01 239,223.41 236.29,223.41 236.22,223.33 233.41,223.33 233,223.74 v4(233,224.01) ; v5(257.91,257.23) 257.88,257.23 257.64,257.47 257.46,257.5 256.69,257.5 256.2,257.01 256.2,256.61 ; 256.2,256.61 256.1,256.51 255.7,256.51 255.2,257.01 U3#32.10 ; 233.25,215.52 v4(233.22,215.49) 233.22,216.09 SW1#32.2 232.2,217.96 233.45,219.21 233.45,221.19 233.27,221.38 232.48,221.38 231.88,221.98 231.88,222.89 v4(233,224.01) ; v4(251.77,244.21) 251.77,238.14 249.7,236.07 249.7,234.73 v4(250.45,233.98) ; v4(266.6,224.01) 264.6,224.01 262.6,226.01 v4(262.6,228.61) ; v4(288.77,244.21) 288.77,238.14 286.7,236.07 286.7,234.73 v4(287.45,233.98) ; 293.2,256.61 293.1,256.51 292.7,256.51 292.2,257.01 U3#31.10 ; 293.2,256.61 293.2,256.02 C5#31.2 U3#31.9 ; 293.2,256.61 293.2,257.01 293.69,257.5 294.46,257.5 294.64,257.47 294.88,257.23 v5(294.91,257.23) ; 285.01,221.61 285.01,221.38 v4(284.64,221.01) ; 285.01,221.61 C3#32.2 284.88,219.97 U1#31.5 ; 285.01,221.61 285,221.62 285,225.51 285.01,225.52 ; H2#32.3 272.79,209.76 272.79,212.22 272.2,212.81 v4(271.5,212.81) ; C15#32.2 285.05,225.2 R10#31.1 286.1,226.27 v4(286.1,226.73) ; D4.2 1.6,49.48 2.17,48.91 3.03,48.91 3.83,49.71 6.7,49.71 7.8,48.61 U2.3 7.8,41.21 10.1,38.91 10.1,38.81 ; U3.9 C5.2 34.2,58.02 34.2,58.61 ; v4(11,26.01) 9.88,24.89 9.88,23.98 10.48,23.38 11.27,23.38 11.45,23.19 11.45,21.21 10.2,19.96 SW1.2 11.22,18.09 v4(11.22,17.49) 11.25,17.52 ; v4(11,26.01) 11,25.74 11.41,25.33 14.22,25.33 14.29,25.41 17,25.41 17.4,25.01 19.69,25.01 20.09,25.41 v4(20.8,25.41) ; v4(11,26.01) 10.8,26.21 13.32,28.73 15.61,28.73 P1.2 ; v4(27.1,28.73) 27.1,28.27 R10.1 26.05,27.2 C15.2 ; 10.1,38.81 U2.17 ; 10.1,38.81 9.3,39.61 9.3,46.91 U2.2 ; 34.2,58.61 34.1,58.51 33.7,58.51 33.2,59.01 U3.10 ; 34.2,58.61 34.2,59.01 34.69,59.5 35.46,59.5 35.64,59.47 35.88,59.23 v5(35.91,59.23) ; L2.1 35.6,46.71 v4(36.2,47.31) 35.7,47.81 D7.4 ; v4(25.64,23.01) 26.01,23.38 26.01,23.61 ; v4(28.45,35.98) 27.7,36.73 27.7,38.07 29.77,40.14 v4(29.77,46.21) ; 26.01,23.61 C3.2 25.88,21.97 U1.5 ; 26.01,23.61 26,23.62 26,27.51 26.01,27.52 ; v4(7.6,26.01) 5.6,26.01 3.6,28.01 v4(3.6,30.61) ; H2.3 13.79,11.76 13.79,14.22 13.2,14.81 v4(12.5,14.81)